# Altium PCB calorieScale.PcbDoc (part 2 of 2)
Units mil, origin at the board's own origin, x right, y up, seen from the top; angles counter-clockwise.
Board outline 3937.01 x 3937.01 mil, 4 copper layers (Top Layer, Sig2, Sig3, Bottom Layer), stack 23.756 mil thick; 102 components, 91 nets, 388 pads, 509 vias.
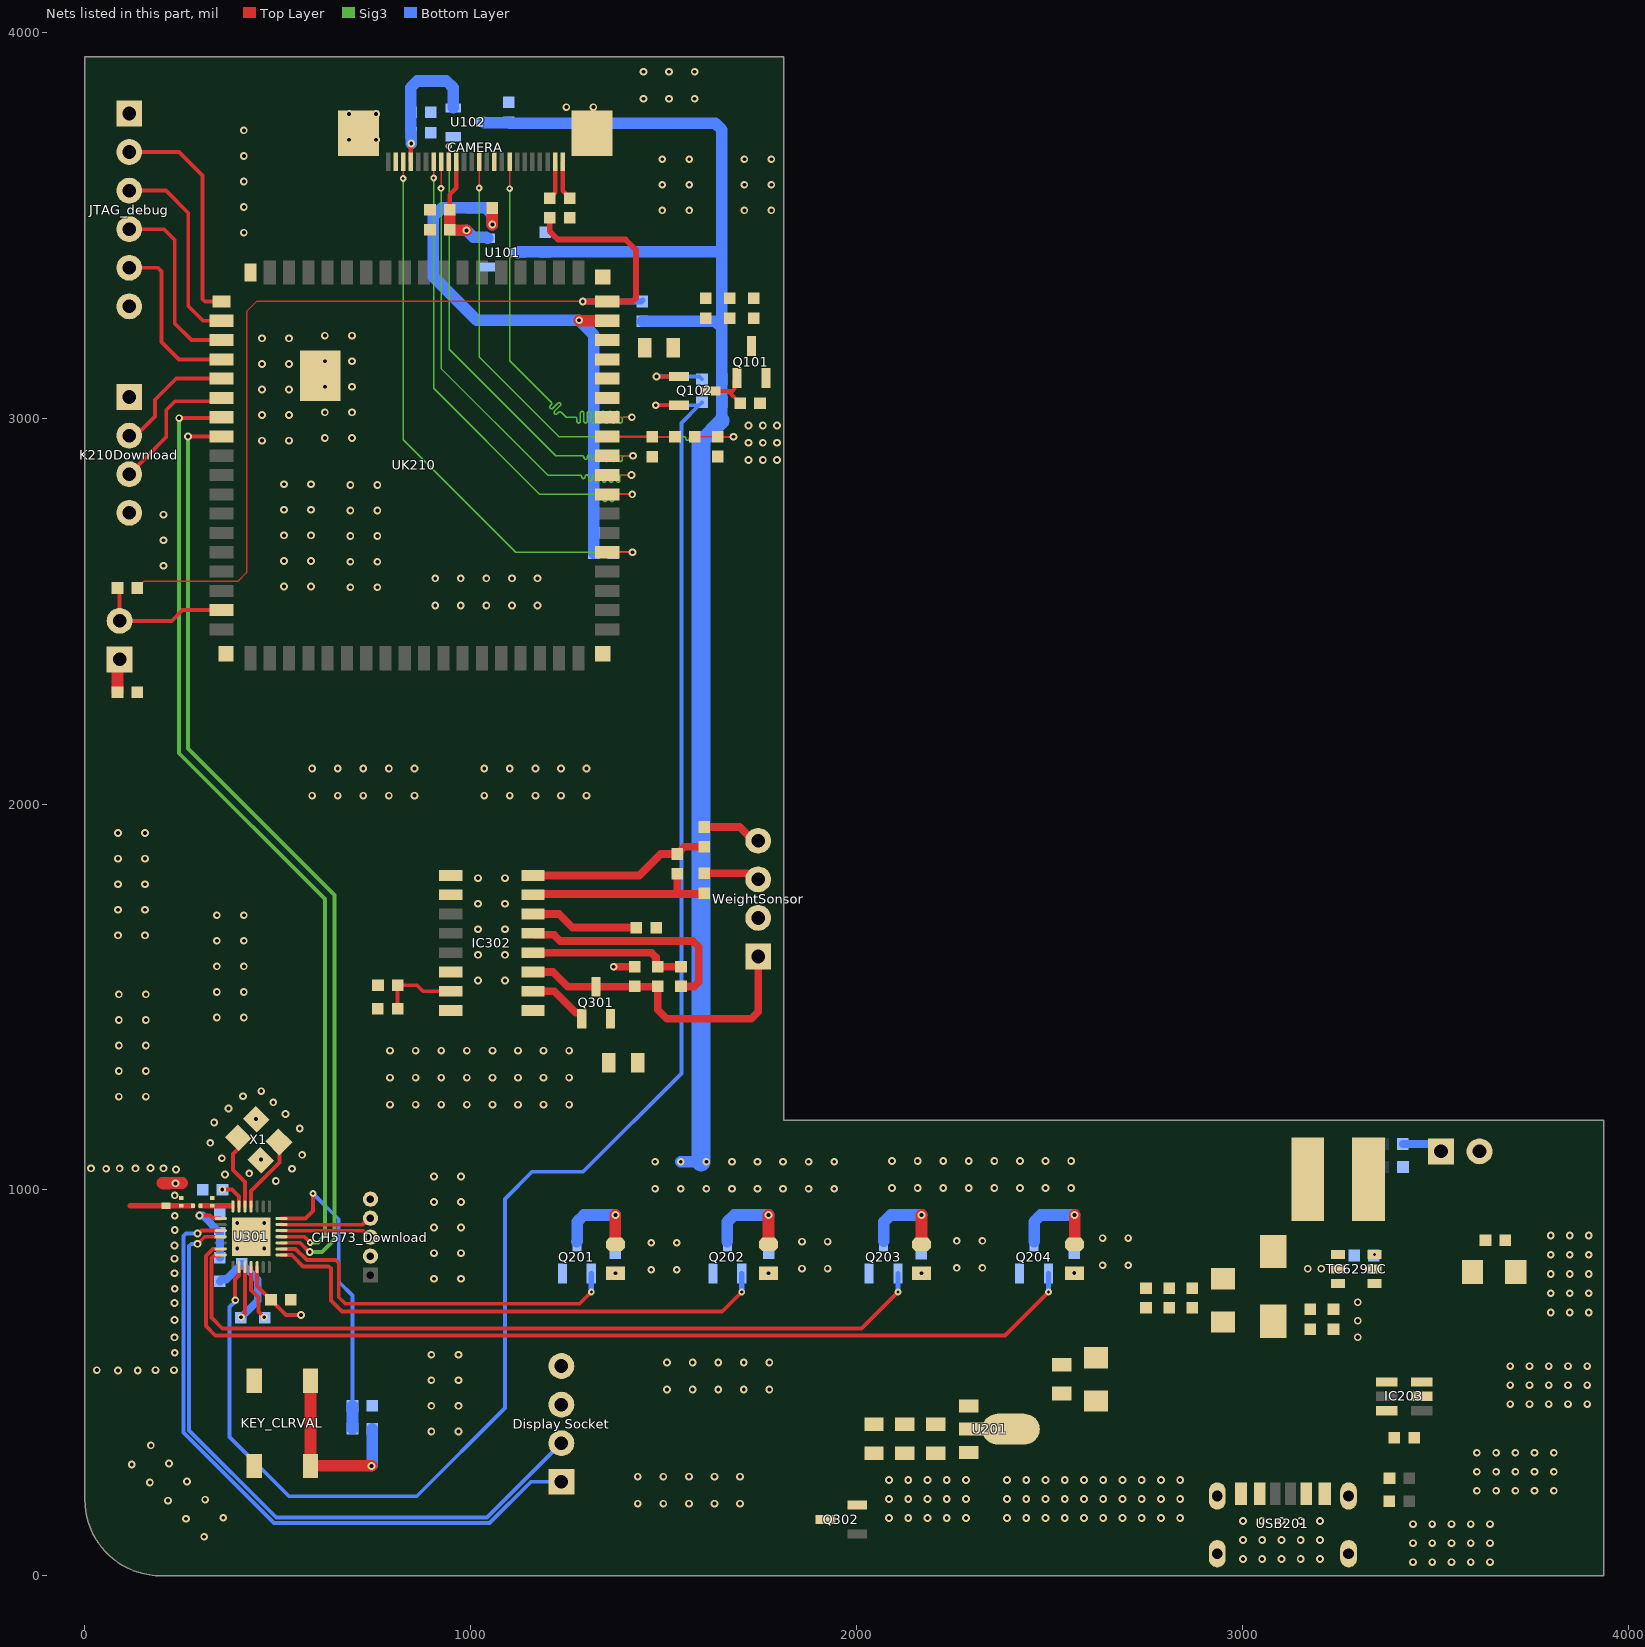
[diagram p4: the nets of this part, all layers, seen from the top]

## Via types
v1: diameter 20, hole 10, Top Layer to Bottom Layer, tented both sides, 483 vias
v2: diameter 17.72, hole 7.87, Top Layer to Bottom Layer, tented both sides, 21 vias
v3: diameter 19.68, hole 11.81, Top Layer to Bottom Layer, tented both sides, 5 vias

## Nets (pads, with @x,y where several pads share a name; then routed paths per layer and width w, separated by ;. In a path a pad name is that pad's centre, name@x,y a point inside that pad or via, vN(x,y) a via of type N, cw(c..) or ccw(c..) an arc to the next point about the centre after c; other vN are vias at no path point) (continued)
DVP_SDA: CAMERA.22 R112.1 UK210.41 | length 1551.7
  Top Layer w4: v2(825,3621) CAMERA.22@825.04,3665 ; UK210.41@1354.09,2652.72 v1(1419.28,2652.72)
  Sig3 w4: v2(825,3621) 825,2944.45 1116.73,2652.72 v1(1419.28,2652.72)
  Bottom Layer w4: R112.1@1369.59,2650 1372.31,2652.72 v1(1419.28,2652.72)
GND: "Display Socket.4" Battery.2 C1.2 C2.2 C3.2 C4.2 C11.2 C12.2 C13.1 C14.2 C15.1 C17.1 C101.1 C102.1 C103.1 C104.1 C105.1 C106.1 C107.1 C108.1 C109.1 C110.1 C111.1 C201.1 C202.1 C203.1 C204.1 C205.1 C206.1 C207.1 C208.1 C209.1 C210.1 C211.1 CAMERA.10 CAMERA.23 CAMERA.MP1 CAMERA.MP2 CH573_Download.2 IC203.2 IC302.5 IC302.9 IC302.10 IC302.14 JTAG_debug.6 K210Download.4 KEY_CLRVAL.1 KEY_CLRVAL.4 Q201.2 Q202.2 Q203.2 Q204.2 R4.1 R7.1 R102.2 R107.2 R201.1 R203.1 R204.2 R206.1 R212.1 TC6291C.2 U101.1 U102.1 U201.1 U301.0 UK210.0 UK210.49 UK210.50 UK210.72 USB201.0 USB201.A12 USB201.B12 WeightSonsor.2 X1.2 X1.4 | length 692
  Top Layer w20: IC302.5@1161.77,1665 1165.55,1661.22 1215.57,1661.22 1231.79,1645 1576,1645 1591,1630 1591,1539.12 1579.28,1527.41 R4.1@1545,1527.41 ; v1(1370.41,1578.59) C15.1@1425,1578.59
  Top Layer w30: 200,1018 252,1018
  other v1: 3442.26,35.43 3492.13,35.43 3541.99,35.43 3591.86,35.43 3641.73,35.43 3001.31,43.31 3051.18,43.31 3101.05,43.31 3150.92,43.31 3200.79,43.31 3442.26,84.65 3492.13,84.65 3541.99,84.65 3591.86,84.65 3641.73,84.65 3001.31,92.52 3051.18,92.52 3101.05,92.52 3150.92,92.52 3200.79,92.52 308.99,101.02 3442.26,133.86 3492.13,133.86 3541.99,133.86 3591.86,133.86 3641.73,133.86 3001.31,141.73 3051.18,141.73 3101.05,141.73 3150.92,141.73 3200.79,141.73 262.12,147.89 358.48,150.52 1432.86,187 1499.14,187 1565.43,187 1631.71,187 1698,187 215.24,194.76 311.61,197.39 3607.61,220.47 3657.48,220.47 3707.35,220.47 3757.22,220.47 3807.09,220.47 168.37,241.63 264.74,244.26 1432.86,257 1499.14,257 1565.43,257 1631.71,257 1698,257 3607.61,269.69 3657.48,269.69 3707.35,269.69 3757.22,269.69 3807.09,269.69 121.5,288.5 217.87,291.13 3607.61,318.9 3657.48,318.9 3707.35,318.9 3757.22,318.9 3807.09,318.9 171,338 898,374.14 968,374.14 898,440.43 968,440.43 3694.23,444.88 3744.09,444.88 3793.96,444.88 3843.83,444.88 3893.7,444.88 1508.86,483 1575.14,483 1641.43,483 1707.71,483 1774,483 3694.23,494.09 3744.09,494.09 3793.96,494.09 3843.83,494.09 3893.7,494.09 898,506.71 968,506.71 86,532 137,532 31,533 183,533 231,533 3694.23,543.31 3744.09,543.31 3793.96,543.31 3843.83,543.31 3893.7,543.31 1508.86,553 1575.14,553 1641.43,553 1707.71,553 1774,553 898,573 968,573 233,578 232,618 232,663 3799.21,682.42 3848.43,682.42 3897.64,682.42 232,707 3799.21,732.28 3848.43,732.28 3897.64,732.28 233,744 905,769.86 975,769.86 3799.21,782.15 3848.43,782.15 3897.64,782.15 232,784 232,822 3799.21,832.02 3848.43,832.02 3897.64,832.02 905,836.14 975,836.14 395,847.86 465,847.86 232,856 3799.21,881.89 3848.43,881.89 3897.64,881.89 233,896 905,902.43 975,902.43 395,914.14 465,914.14 233,933 905,968.71 975,968.71 233,986 235,1017 495,1023 905,1035 975,1035 363,1040 426,1043 236,1053 55,1055 537,1055 16,1056 90,1056 131,1056 204,1056 170,1057 456,1079 355,1082 563,1091 325,1122 557,1159 335,1175 443,1184 520,1197 372,1211 488,1227 88,1241.86 158,1241.86 410,1243 457,1256 88,1308.14 158,1308.14 88,1374.43 158,1374.43 88,1440.71 158,1440.71 342,1446.86 412,1446.86 88,1507 158,1507 342,1513.14 412,1513.14 1019,1543 1089,1543 342,1579.43 412,1579.43 1019,1609.29 1089,1609.29 342,1645.71 412,1645.71 86,1659.86 156,1659.86 1019,1675.57 1089,1675.57 342,1712 412,1712 86,1726.14 156,1726.14 1019,1741.86 1089,1741.86 86,1792.43 156,1792.43 1019,1808.14 1089,1808.14 86,1858.71 156,1858.71 86,1925 156,1925 589,2022 655.29,2022 721.57,2022 787.86,2022 854.14,2022 1035,2022 1101.29,2022 1167.57,2022 1233.86,2022 1300.14,2022 589,2092 655.29,2092 721.57,2092 787.86,2092 854.14,2092 1035,2092 1101.29,2092 1167.57,2092 1233.86,2092 1300.14,2092 907.86,2515 974.14,2515 1040.43,2515 1106.71,2515 1173,2515 688,2562 758,2562 516,2564 586,2564 907.86,2585 974.14,2585 1040.43,2585 1106.71,2585 1173,2585 203.84,2617.64 688,2628.29 758,2628.29 516,2630.29 586,2630.29 203.84,2683.92 688,2694.57 758,2694.57 516,2696.57 586,2696.57 203.84,2750.21 688,2760.86 758,2760.86 516,2762.86 586,2762.86 688,2827.14 758,2827.14 516,2829.14 586,2829.14 459,2942 529,2942 622,2949 692,2949 459,3008.29 529,3008.29 622,3015.29 692,3015.29 459,3074.57 529,3074.57 622,3081.57 692,3081.57 459,3140.86 529,3140.86 622,3147.86 692,3147.86 459,3207.14 529,3207.14 622,3214.14 692,3214.14 412,3481 1496.16,3538.79 1566.16,3538.79 1709.16,3538.79 1779.16,3538.79 412,3547.29 1496.16,3605.08 1566.16,3605.08 1709.16,3605.08 1779.16,3605.08 412,3613.57 1496.16,3671.36 1566.16,3671.36 1709.16,3671.36 1779.16,3671.36 412,3679.86 684.86,3721.99 754.86,3721.99 412,3746.14 684.86,3788.28 754.86,3788.28 1247.86,3806.28 1317.86,3806.28 1447.64,3828.16 1513.92,3828.16 1580.21,3828.16 1447.64,3898.16 1513.92,3898.16 1580.21,3898.16
  other v3: 3299.21,618.11 3299.21,661.42 3299.21,708.66 3169.29,795.28 3204.72,795.28
HS: CAMERA.16 UK210.46 | length 1362.3
  Top Layer w4: v2(943,3704.93) 943.07,3704.85 943.07,3665.07 CAMERA.16@943.15,3665 ; UK210.46@1354.09,2902.72 v1(1420.72,2902.72)
  Sig3 w4: v2(943,3704.93) 944,3703.93 944,3179 1220.28,2902.72 1230,2902.72 1289,2902.72 cw(c1289,2898.22) 1293.5,2898.22 ccw(c1298,2898.22) 1302.5,2898.22 1302.5,2900.95 cw(c1307,2900.95) 1311.5,2900.95 1311.5,2896.58 ccw(c1316,2896.58) 1320.5,2896.58 1320.5,2900.95 cw(c1325,2900.95) 1329.5,2900.95 1329.5,2892.47 ccw(c1334,2892.47) 1338.5,2892.47 1338.5,2900.95 cw(c1343,2900.95) 1347.5,2900.95 1347.5,2892.47 ccw(c1352,2892.47) 1356.5,2892.47 1356.5,2900.95 cw(c1361,2900.95) 1365.5,2900.95 1365.5,2892.47 ccw(c1370,2892.47) 1374.5,2892.47 1374.5,2900.95 cw(c1379,2900.95) 1383.5,2900.95 1383.5,2892.47 ccw(c1388,2892.47) 1392.5,2892.47 1392.5,2898.22 cw(c1397,2898.22) 1397,2902.72 1399,2902.72 v1(1420.72,2902.72)
ISP_RX: K210Download.2 UK210.5 | length 325.5
  Top Layer w10: K210Download.2@115,2955 130.4,2955 146.17,2970.77 147.77,2970.77 182,3005 182,3048 236.72,3102.72 UK210.5@354.09,3102.72
ISP_TX: K210Download.3 UK210.6 | length 362
  Top Layer w10: K210Download.3@115,2855 160,2900 211,2951 211,3021 234,3044 345.38,3044 UK210.6@354.09,3052.72
JTAG_TCK: JTAG_debug.2 UK210.1 | length 587.2
  Top Layer w10: JTAG_debug.2@115,3690 244,3690 305,3629 305,3308.57 310.86,3302.72 UK210.1@354.09,3302.72
JTAG_TDI: JTAG_debug.3 UK210.2 | length 520
  Top Layer w10: JTAG_debug.3@115,3590 210,3590 268,3532 268,3291 306.28,3252.72 UK210.2@354.09,3252.72
JTAG_TDO: JTAG_debug.5 UK210.4 | length 444
  Top Layer w10: JTAG_debug.5@115,3390 189,3390 199,3380 199,3198 244.28,3152.72 UK210.4@354.09,3152.72
JTAG_TMS: JTAG_debug.4 UK210.3 | length 484.6
  Top Layer w10: JTAG_debug.4@115,3490 205,3490 233,3462 233,3246 276,3203 353.81,3203 UK210.3@354.09,3202.72
K210_1V8: R110.2 R111.2 R112.2 UK210.53 | length 1513.3
  Top Layer w30: R110.2@1055.59,3545 1055.59,3502.41 v1(1056,3502) ; v1(1281,3254) 1282.28,3252.72 UK210.53@1354.09,3252.72
  Bottom Layer w30: v1(1056,3502) 1056,3528.43 1038.43,3546 926,3546 903,3523 903,3367 1016,3254 v1(1281,3254) 1318.41,3216.59 R112.2@1318.41,2650
K210_3V3: R101.2 R108.2 R109.2 UK210.54 | length 2558.9
  Top Layer w4: R101.2@135.59,2560 152.59,2577 396,2577 419,2600 419,3276.64 445.07,3302.72 v1(1290.28,3302.72)
  Top Layer w15: R108.2@1205,3519.41 1205,3484 1218.01,3470.99 1226,3463 1401,3463 1428,3436 1428,3311.5 1419.21,3302.72 UK210.54@1354.09,3302.72 v1(1290.28,3302.72)
  Bottom Layer w15: v1(1290.28,3302.72) 1441.72,3302.72 R109.2@1445.01,3306
K210_BOOT: BootPullDown.2 R101.1 UK210.17 | length 362.9
  Top Layer w10: R101.1@84.41,2560 90,2554.4 BootPullDown.2@90,2475 225,2475 252.72,2502.72 UK210.17@354.09,2502.72
K210_RX: U301.10 UK210.8 | length 2487.5
  Top Layer w10: v1(267,2953) 353.81,2953 UK210.8@354.09,2952.72 ; U301.10@509.49,862.99 557.17,862.99 v1@582.16,838
  Sig3 w10: v1(267,2953) 267,2144 647,1764 647,871.64 614.36,839 584.94,839 583.94,838 v1(582.86,839.08)
K210_TX: U301.11 UK210.7 | length 2511.9
  Top Layer w10: v1(244.25,3000.25) 351.63,3000.25 UK210.7@354.09,3002.72 ; U301.11@509.49,878.74 569.26,878.74 v2(584,864)
  Sig3 w10: v1(244.25,3000.25) 244,3000 244,2131.64 622,1753.64 622,882 604,864 v2(584,864)
Key_CLRVAL: C17.2 R9.1 U301.14 | length 787.8
  Top Layer w10: U301.14@509.49,925.98 571.98,925.98 591,945 v2(591,991)
  Bottom Layer w10: v2(591,991) 658,924 658,762 693.55,726.45 C17.2@693.55,441.06
  Bottom Layer w30: R9.1@693.54,381.07 C17.2@693.54,441.05
L1: Q201.1 U301.9 | length 974.1
  Top Layer w10: U301.9@509.49,847.24 546.05,847.24 575.29,818 650,818 658,810 658,722 675,705 1281.8,705 v2(1312.4,735.6)
  Bottom Layer w13.75: v2(1312.4,735.6) Q201.1@1312.4,783.66
L2: Q202.1 U301.8 | length 1370.9
  Top Layer w10: U301.8@509.49,831.5 536.14,831.5 542,825.64 565.64,802 632.14,802 638,796.14 638,713.72 666.72,685 1651.8,685 v2(1702.4,735.6)
  Bottom Layer w13.75: v2(1702.4,735.6) Q202.1@1702.4,783.66
L3: Q203.1 U301.28 | length 2059.9
  Top Layer w10: U301.28@352.01,831.5 350.94,830.43 335.23,830.43 328,823.2 328,669 356,641 2012.8,641 v2(2107.4,735.6)
  Bottom Layer w13.75: v2(2107.4,735.6) Q203.1@2107.4,783.66
L4: Q204.1 U301.27 | length 2515.6
  Top Layer w10: U301.27@352.01,847.24 351.76,847 332,847 314,829 314,647 338,623 2384.8,623 v2(2497.4,735.6)
  Bottom Layer w13.75: v2(2497.4,735.6) Q204.1@2497.4,783.66
MCLK: C105.2 CAMERA.12 R103.2 | length 1362.3
  Top Layer w4: CAMERA.12@1021.89,3665 1021.94,3664.94 1021.94,3597.06 v2(1022,3597) ; R103.2@1580.59,2952 C105.2@1640,2952 v1(1681,2952)
  Sig3 w4: v2(1022,3597) 1022,3159 1229,2952 1488.35,2952 1553,2952 cw(c1553,2947.5) 1557.5,2947.5 1557.5,2947.08 ccw(c1562,2947.08) 1566.5,2947.08 1566.5,2947.5 cw(c1571,2947.5) 1571,2952 1573,2952 v1(1681,2952)
NetBootPullDown_1: BootPullDown.1 R102.1 | length 87.3
  Top Layer w30: R102.1@84.41,2290 84.41,2369.41 BootPullDown.1@90,2375
NetC1_1: C1.1 U301.20 | length 76.1
  Top Layer w10: v1(356,1001) 381,1001 399.25,982.75 U301.20@399.25,957.48
NetC11_1: C11.1 R2.2 U301.21 | length 80.9
  Top Layer w13.75: R2.2@299.69,959.15 U301.21@380.57,959.15
NetC12_1: C12.1 E1.1 R2.1 | length 163.2
  Top Layer w13.75: 117.02,958.62 117.55,959.15 C12.1@250,959.15 R2.1@280,959.15
NetC14_1: C14.1 IC302.6 | length 282.1
  Top Layer w20: IC302.6@1161.77,1715 1229,1715 1264,1680 C14.1@1429.41,1680
NetC15_2: C15.2 IC302.3 Q301.3 R3.2 WeightSonsor.1 | length 820.1
  Top Layer w20: IC302.3@1161.77,1565 1213,1565 1251.66,1526.34 Q301.3@1325,1526.34 1325.54,1526.88 1425,1526.88 1484.46,1526.88 R3.2@1485,1527.41 1485,1467 1508,1444 1727,1444 1745,1462 WeightSonsor.1@1745,1605
NetC16_1: C16.1 IC302.8 R6.1 | length 474.1
  Top Layer w20: IC302.8@1161.77,1815 1437,1815 1492.59,1870.59 C16.1@1535,1870.59 1553.81,1889.41 R6.1@1605,1889.41
NetC16_2: C16.2 IC302.7 R5.1 | length 500.2
  Top Layer w20: IC302.7@1161.77,1765 1163.97,1767.2 1542.06,1767.2 ; C16.2@1535,1819.41 1535,1774.27 1542.06,1767.2 ; R5.1@1605,1769.41 1602.8,1767.2 1542.06,1767.2
NetCAMERA_1: CAMERA.1 R107.1 | length 102.1
  Top Layer w12: CAMERA.1@1238.43,3665 1238.43,3589.17 R107.1@1257,3570.59
NetCAMERA_2: CAMERA.2 R108.1 | length 100.1
  Top Layer w12: R108.1@1205,3570.59 1218.74,3584.34 CAMERA.2@1218.74,3665
NetD201_1: D201.1 L201.2 TC6291C.1
NetIC203_6: IC203.6 R204.1
NetIC302_2: IC302.2 Q301.1 | length 163.4
  Top Layer w20: IC302.2@1161.77,1515 1216.26,1515 1237.06,1494.2 1272.01,1459.25 1285.79,1459.25 1287.6,1457.44 Q301.1@1287.6,1443.66
NetIC302_4: IC302.4 R3.1 R4.2 | length 409.8
  Top Layer w20: IC302.4@1161.77,1615 1468.28,1615 1480,1603.28 1480,1583.59 R3.1@1485,1578.59 R4.2@1545,1578.59
NetKEY_CLRVAL_2: KEY_CLRVAL.2 KEY_CLRVAL.3 R9.2 | length 475.7
  Top Layer w30: KEY_CLRVAL.3@584.65,505.24 KEY_CLRVAL.2@584.65,284.76 v1(742.8,284.76)
  Bottom Layer w30: v1(742.8,284.76) 744.72,286.69 R9.2@744.72,381.07
NetL101_1: L101.1 UK210.51 UK210.52
NetLED1_1: LED1.1 R210.1
  other v1: 1375,784.09
NetLED1_2: LED1.2 Q201.3 | length 234.2
  Top Layer w30: LED1.2@1375,858.89 v1(1375,935.08)
  Bottom Layer w30: Q201.3@1275,866.34 1275.78,867.11 1275.78,917.51 1293.35,935.08 v1(1375,935.08)
NetLED2_1: LED2.1 R209.1
  other v1: 1771.67,784.09
NetLED2_2: LED2.2 Q202.3 | length 241.3
  Top Layer w30: LED2.2@1771.67,858.89 v1(1771.67,935.08)
  Bottom Layer w30: Q202.3@1665,866.34 1665,917.51 1682.57,935.08 v1(1771.67,935.08)
NetLED3_1: LED3.1 R208.1
  other v1: 2168.34,784.09
NetLED3_2: LED3.2 Q203.3 | length 231.2
  Top Layer w30: LED3.2@2168.34,858.89 v1(2168.34,935.08)
  Bottom Layer w30: Q203.3@2070.87,867.2 2070.87,917.51 2088.44,935.08 v1(2168.34,935.08)
NetLED4_1: LED4.1 R207.1
  other v1: 2564,785
NetLED4_2: LED4.2 Q204.3 | length 239.6
  Top Layer w30: LED4.2@2565,858.89 v1(2565,935.08)
  Bottom Layer w30: Q204.3@2460,866.34 2460,917.51 2477.57,935.08 v1(2565,935.08)
NetQ101_1: Q101.1 Q102.3 R106.1 | length 139.4
  Top Layer w10: Q102.3@1622.34,3071 1666.4,3071 ; Q101.1@1690.13,3104.43 1683.31,3097.61 1683.31,3076.31 1678,3071 1666.4,3071 ; R106.1@1698.41,3039 1666.4,3071
NetQ102_1: Q102.1 R104.1 | length 179.3
  Top Layer w10: v1(1481.4,3108.4) Q102.1@1539.66,3108.4
  Bottom Layer w10: v1(1481.4,3108.4) 1592.01,3108.4 R104.1@1599.41,3101
NetR5_2: R5.2 WeightSonsor.3 | length 146.5
  Top Layer w20: R5.2@1605,1820.59 1716.71,1820.59 1732.3,1805 WeightSonsor.3@1745,1805
NetR6_2: R6.2 WeightSonsor.4 | length 154.7
  Top Layer w20: R6.2@1605,1940.59 1696.71,1940.59 1732.3,1905 WeightSonsor.4@1745,1905
NetR201_2: R201.2 TC6291C.6
  other v2: 3342.24,832.4
NetR202_1: R202.1 R203.2 TC6291C.3
OLED_SCL: "Display Socket.2" U301.25 | length 1707.3
  Top Layer w10: v1@292.21,860.21 310.74,878.74 U301.25@352.01,878.74
  Bottom Layer w10: v1(291.67,860.21) 275.86,860.21 270,854.35 270,377 496,151 1042.3,151 1235,343.7
OLED_SDA: "Display Socket.1" U301.24 | length 1731
  Top Layer w10: v1@292.24,887 293.12,887.88 295.83,887.88 302.44,894.49 U301.24@352.01,894.49
  Bottom Layer w10: v1(291.67,887) 262,887 256,881 256,371.2 490.2,137 1049,137 1155.7,243.7 1235,243.7
PCLK: CAMERA.8 UK210.48 | length 1362.4
  Top Layer w4: CAMERA.8@1100.63,3665 1100.82,3664.81 1100.82,3595.19 v2(1101,3595) ; UK210.48@1354.09,3002.72 v1(1417.59,3002.72)
  Sig3 w4: v2(1101,3595) 1101,3149 1146.5,3103.5 1208.76,3041.24 cw(c1205.58,3038.06) 1208.76,3034.88 1206.25,3032.37 ccw(c1209.43,3029.19) 1206.25,3026 ccw(c1209.43,3029.19) 1212.61,3026 1225.73,3039.12 cw(c1228.91,3035.94) 1232.09,3039.12 cw(c1228.91,3035.94) 1232.09,3032.76 1217.24,3017.91 ccw(c1220.43,3014.72) 1217.24,3011.54 ccw(c1220.43,3014.72) 1223.61,3011.54 1227.85,3015.79 cw(c1231.03,3012.6) 1234.21,3015.79 1235.63,3014.37 1247.28,3002.72 1258.26,3002.72 1270.83,3002.72 cw(c1270.83,2998.22) 1275.33,2998.22 1275.33,2992.22 ccw(c1279.83,2992.22) 1284.33,2992.22 1284.33,3013.22 cw(c1288.83,3013.22) 1293.33,3013.22 1293.33,2992.22 ccw(c1297.83,2992.22) 1302.33,2992.22 1302.33,3013.22 cw(c1306.83,3013.22) 1311.33,3013.22 1311.33,2992.22 ccw(c1315.83,2992.22) 1320.33,2992.22 1320.33,3013.22 cw(c1324.83,3013.22) 1329.33,3013.22 1329.33,2992.22 ccw(c1333.83,2992.22) 1338.33,2992.22 1338.33,3013.22 cw(c1342.83,3013.22) 1347.33,3013.22 1347.33,2992.22 ccw(c1351.83,2992.22) 1356.33,2992.22 1356.33,3013.22 cw(c1360.83,3013.22) 1365.33,3013.22 1365.33,2992.22 ccw(c1369.83,2992.22) 1374.33,2992.22 1374.33,3013.22 cw(c1378.83,3013.22) 1383.33,3013.22 1383.33,2992.22 ccw(c1387.83,2992.22) 1392.33,2992.22 1392.33,2998.22 cw(c1396.83,2998.22) 1396.83,3002.72 1398.83,3002.72 v1(1417.59,3002.72)
PWDN: CAMERA.17 UK210.45 | length 1362.4
  Top Layer w4: v2(923,3596) 923.23,3596.23 923.23,3664.77 CAMERA.17@923.46,3665 ; UK210.45@1354.09,2852.72 v1(1416.72,2852.72)
  Sig3 w4: v2(923,3596) 923,3129.29 1199.57,2852.72 1211.28,2852.72 1282.86,2852.72 cw(c1282.86,2848.22) 1287.36,2848.22 ccw(c1291.86,2848.22) 1296.36,2848.22 1296.36,2848.82 cw(c1300.86,2848.82) 1305.36,2848.82 1305.36,2841.89 ccw(c1309.86,2841.89) 1314.36,2841.89 1314.36,2848.82 cw(c1318.86,2848.82) 1323.36,2848.82 1323.36,2838.81 ccw(c1327.86,2838.81) 1332.36,2838.81 1332.36,2848.82 cw(c1336.86,2848.82) 1341.36,2848.82 1341.36,2838.81 ccw(c1345.86,2838.81) 1350.36,2838.81 1350.36,2848.82 cw(c1354.86,2848.82) 1359.36,2848.82 1359.36,2838.81 ccw(c1363.86,2838.81) 1368.36,2838.81 1368.36,2848.82 cw(c1372.86,2848.82) 1377.36,2848.82 1377.36,2838.81 ccw(c1381.86,2838.81) 1386.36,2838.81 1386.36,2848.22 cw(c1390.86,2848.22) 1390.86,2852.72 1392.86,2852.72 v1(1416.72,2852.72)
RATE: IC302.15 R7.2 R8.2 | length 204.3
  Top Layer w10: R8.2@810.59,1470 810.59,1530.23 R7.2@810.77,1530.41 860.59,1530.41 876,1515 IC302.15@948.23,1515
SW_K210: Q102.2 R105.1 U301.2 | length 4391.1
  Top Layer w10: v1(390.04,713.96) 389,715 389,768 399.25,778.25 U301.2@399.25,800 ; v1(1479.4,3033.6) Q102.2@1539.66,3033.6
  Bottom Layer w10: v1(390.04,713.96) 390.04,711.25 375.04,696.25 375.04,359.96 529,206 860,206 1089,435 1089,977 1159,1047 1291,1047 1546,1302 1546,2987.6 R105.1@1592,3033.6 ; v1(1479.4,3033.6) R105.1@1592,3033.6 ; R105.1@1599.41,3041 R105.1@1592,3033.6
UD+: CH573_Download.3 U301.12 | length 237.6
  Top Layer w9.53: U301.12@509.49,894.49 509.6,894.6 719.35,894.6 736.34,877.61 CH573_Download.3@740,877.61
UD-: CH573_Download.4 U301.13 | length 237.5
  Top Layer w9.53: U301.13@509.49,910.24 509.6,910.13 719.5,910.13 736.19,926.82 CH573_Download.4@740,926.82
VCC5V_USB: IC203.4 R205.2 USB201.A9 USB201.B9
VCC_3V3: C4.1 C13.2 C106.2 C109.2 C209.2 C210.2 C211.2 CH573_Download.5 IC302.1 IC302.16 Q301.2 Q302.2 R8.1 R104.2 R105.2 R109.1 R207.2 R208.2 R209.2 R210.2 U101.3 U102.3 U201.3 U301.5 | length 4313.4
  Top Layer w10: U301.5@446.5,800 446.5,750.91 C4.1@482.41,715 521.4,676 v1(560,676)
  Bottom Layer w30: U102.3@1033.37,3767 1034.37,3766 C109.2@1099,3766 ; C109.2@1099,3767.41 1101.42,3765 1633.43,3765 1651,3747.43 1651,3431 ; U101.3@1122.37,3429 1124.37,3431 C106.2@1193,3431 ; C106.2@1193,3431.41 1193.42,3431 1651,3431 ; R109.1@1444,3251.41 1633.43,3251.41 1651,3233.83 ; v1(1544.29,1073) 1597,1073 ; 1650.59,2994.59 R105.2@1650.59,3041 R104.2@1650.59,3101 1651,3101.42 1651,3233.83 ; 1651,3233.83 1651,3431
  Bottom Layer w40: 1597,2939 1650.59,2992.59 1650.59,2994.59
  Bottom Layer w50: 1597,1073 1597,2939
  other v1: 2083.99,149.61 2133.86,149.61 2183.73,149.61 2233.6,149.61 2283.46,149.61 2083.99,198.82 2133.86,198.82 2183.73,198.82 2233.6,198.82 2283.46,198.82 2083.99,248.03 2133.86,248.03 2183.73,248.03 2233.6,248.03 2283.46,248.03 1467.71,793 1534,793 1858.71,796 1925,796 2259.71,798 2326,798 2637.71,805 2704,805 1467.71,863 1534,863 1858.71,866 1925,866 2259.71,868 2326,868 2637.71,875 2704,875 1478,1003 1544.29,1003 1610.57,1003 1676.86,1003 1743.14,1003 1809.43,1003 1875.71,1003 1942,1003 2092,1005 2158.29,1005 2224.57,1005 2290.86,1005 2357.14,1005 2423.43,1005 2489.71,1005 2556,1005 1478,1073 1610.57,1073 1676.86,1073 1743.14,1073 1809.43,1073 1875.71,1073 1942,1073 2092,1075 2158.29,1075 2224.57,1075 2290.86,1075 2357.14,1075 2423.43,1075 2489.71,1075 2556,1075 791,1221 857.29,1221 923.57,1221 989.86,1221 1056.14,1221 1122.43,1221 1188.71,1221 1255,1221 791,1291 857.29,1291 923.57,1291 989.86,1291 1056.14,1291 1122.43,1291 1188.71,1291 1255,1291 791,1361 857.29,1361 923.57,1361 989.86,1361 1056.14,1361 1122.43,1361 1188.71,1361 1255,1361
VCC_3V7: Battery.1 C201.2 C202.2 IC203.3 L201.1 R211.2 TC6291C.4 TC6291C.5 | length 106.8
  Bottom Layer w20: R211.2@3415.59,1119 3495.52,1119 Battery.1@3514.53,1100
VCC_5V: C203.2 C204.2 C205.2 C206.2 C207.2 C208.2 D201.2 JTAG_debug.1 K210Download.1 Q101.2 R106.2 R202.2 U201.2
  other v1: 2389.76,149.61 2439.63,149.61 2489.5,149.61 2539.37,149.61 2589.24,149.61 2639.11,149.61 2688.98,149.61 2738.84,149.61 2788.71,149.61 2838.58,149.61 2389.76,198.82 2439.63,198.82 2489.5,198.82 2539.37,198.82 2589.24,198.82 2639.11,198.82 2688.98,198.82 2738.84,198.82 2788.71,198.82 2838.58,198.82 2389.76,248.03 2439.63,248.03 2489.5,248.03 2539.37,248.03 2589.24,248.03 2639.11,248.03 2688.98,248.03 2738.84,248.03 2788.71,248.03 2838.58,248.03 1720,2892 1757,2892 1794,2892 1720,2936.5 1757,2936.5 1794,2936.5 1720,2981 1757,2981 1794,2981
VCC_CAM_1V8: C107.2 C108.2 CAMERA.15 U101.2 | length 290.5
  Top Layer w12: C108.2@945.59,3540 946,3540.41 946,3580 962.83,3596.83 CAMERA.15@962.83,3665
  Top Layer w30: C108.2@945.59,3540 C107.2@945.59,3489 947.58,3487 v1(989,3487)
  Bottom Layer w30: v1(989,3487) 1006.41,3469.59 1040.44,3469.59 U101.2@1043.63,3466.4
VCC_CAM_3V0: C110.2 C111.2 CAMERA.21 U102.2 | length 370
  Top Layer w12: CAMERA.21@844.72,3665 844.82,3665.09 844.82,3686.27 845,3686.45 845,3711 v1(846,3712)
  Bottom Layer w30: v1(846,3712) 845.41,3712.59 C111.2@845.41,3740 844,3741.41 844,3856.43 861.57,3874 937.06,3874 954.63,3856.43 U102.2@954.63,3804.4
VCC_K210_5V: C101.2 C102.2 C103.2 L101.2 Q101.3
VCC_OLED_3V3: "Display Socket.3" Q302.3
VDCIA: C2.1 L2.1 U301.22 | length 195.2
  Top Layer w10: v1(297,934) 325,934 333.02,925.98 U301.22@352.01,925.98
  Bottom Layer w20: v1(297,934) 305.4,934 C2.1@350,889.41 L2.1@350,824
VDCID: C3.1 L1.1 L2.2 U301.3 | length 383.5
  Top Layer w10: v1(405,670) 415,680 U301.3@415,800
  Bottom Layer w20: L2.2@350,762.82 355,767.82 366.41,767.82 C3.1@407,808.41 448,767.4 448,712.58 405.42,670 v1(405,670)
VS: CAMERA.18 UK210.44 | length 1362.4
  Top Layer w4: CAMERA.18@903.78,3665 903.89,3664.89 903.89,3623.11 v2(904,3623) ; UK210.44@1354.09,2802.72 v1(1418.72,2802.72)
  Sig3 w4: v2(904,3623) 904,3077.58 1178.86,2802.72 1190.48,2802.72 1321.22,2802.72 cw(c1321.22,2798.22) 1325.72,2798.22 1325.72,2794.55 ccw(c1330.22,2794.55) 1334.72,2794.55 1334.72,2799.56 cw(c1339.22,2799.56) 1343.72,2799.56 1343.72,2788.68 ccw(c1348.22,2788.68) 1352.72,2788.68 1352.72,2799.56 cw(c1357.22,2799.56) 1361.72,2799.56 1361.72,2788.68 ccw(c1366.22,2788.68) 1370.72,2788.68 1370.72,2798.22 cw(c1375.22,2798.22) 1375.22,2802.72 1377.22,2802.72 v1(1418.72,2802.72)
VSW: L1.2 U301.4 | length 144.2
  Top Layer w10: U301.4@430.75,800 430.75,740.25 450,721 450,685 v1(465,670)
X32MI: U301.19 X1.1 | length 197.5
  Top Layer w10: X1.1@397.11,1135.57 398.5,1134.18 398.5,1107.84 384,1093.34 384,1052 415,1021 U301.19@415,957.48
X32MO: U301.18 X1.3 | length 198
  Top Layer w10: U301.18@430.75,957.48 430.75,997.49 504.29,1071.03 504.29,1123.04 X1.3@502.89,1124.43
XCLK: C104.2 R103.1 UK210.47 | length 176.8
  Top Layer w4: UK210.47@1354.09,2952.72 C104.2@1468.87,2952.72 ; C104.2@1470.41,2952 R103.1@1529.41,2952
  Top Layer w10: C104.2@1468.87,2952.72 C104.2@1470,2951.59 C104.2@1470.41,2952 ; R103.1@1528.82,2945.59 R103.1@1529.41,2945
pads on no net: CAMERA.24 E1.0 IC203.1 IC302.13 U301.15 UK210.9 UK210.10 UK210.11 UK210.12 UK210.13 UK210.14 UK210.15 UK210.16 UK210.18 UK210.19 UK210.20 UK210.21 UK210.22 UK210.23 UK210.24 UK210.25 UK210.26 UK210.27 UK210.28 UK210.29 UK210.30 UK210.31 UK210.32 UK210.33 UK210.34 UK210.35 UK210.36 UK210.37 UK210.38 UK210.39 UK210.40 UK210.55 UK210.56 UK210.57 UK210.58 UK210.59 UK210.60 UK210.61 UK210.62 UK210.63 USB201.A5 USB201.B5

## Polygon pours and split planes (outlines as drawn)
GND on Top Layer "GND_L01_P035" (hatched 45Degree grid 0 track 8, remove dead copper, pour order 35): 0,3940 0,1047 229,1047 229,541 0,541 0,0 3936,0 3936,1182 3935,1183 3931,1179 1810,1179 1810,3933 1806,3937
VCC5V_USB on Top Layer "VCC5V_USB_L01_P009" (hatched 45Degree grid 0 track 8, remove dead copper, pour order 9): 2913.39,535.43 2913.39,181.1 3322.83,181.1 3322.83,228.35 3401.57,228.35 3401.57,334.65 3334.65,334.65 3334.65,488.19 3417.32,488.19 3417.32,574.8 3204.72,574.8 3204.72,539.37
VCC_3V3 on Top Layer "VCC_3V3_L01_P021" (hatched 45Degree grid 0 track 8, remove dead copper, pour order 21): 664,1494 784,1494 785,1495 785,1427 845,1427 845,1487 1213,1487 1262,1438 1262,1408 1322,1408 1322,1481 1396,1481 1397,1480 1397,1163 659,1163 658,1164
NetL101_1 on Top Layer "NETL101_1_L01_P016" (hatched 45Degree grid 0 track 8, pour order 16): 1321,3223 1480,3223 1480,3141 1320.01,3141
VCC_K210_5V on Top Layer "VCC_K210_5V_L01_P015" (hatched 45Degree grid 0 track 8, pour order 15): 1488,3142 1811,3142 1811,3286 1488,3286
VCC_5V on Top Layer "VCC_5V_L01_P014" (hatched 45Degree grid 0 track 8, pour order 14): 1723,3137 1723,3003 1704,3003 1704,2867 1809,2867 1809,3137
VCC_OLED_3V3 on Top Layer "VCC_OLED_3V3_L01_P012" (hatched 45Degree grid 0 track 8, remove dead copper, pour order 12): 1188.98,488.19 1956.69,488.19 1956.69,86.61 1291.34,86.61 1291.34,393.7 1188.98,393.7
VCC_3V3 on Top Layer "VCC_3V3_L01_P011" (hatched 45Degree grid 0 track 8, remove dead copper, pour order 11): 2330.71,350.39 1968.5,350.39 1968.5,133.86 2330.71,133.86
VCC_5V on Top Layer "VCC_5V_L01_P008" (hatched 45Degree grid 0 track 8, remove dead copper, pour order 8): 3011.81,751.97 3141.73,751.97 3141.73,669.29 3204.72,669.29 3204.72,539.37 2909.45,539.37 2909.45,133.86 2334.65,133.86 2334.65,507.87 2669.29,507.87 2669.29,716.54 3000,716.54 3011.81,728.35
GND on Top Layer "GND_L01_P007" (hatched 45Degree grid 0 track 8, remove dead copper, pour order 7): 3145.67,814.96 3145.67,771.65 3271.65,771.65 3271.65,669.29 3208.66,669.29 3208.66,578.74 3322.83,578.74 3322.83,814.96
NetR202_1 on Top Layer "NETR202_1_L01_P006" (hatched 45Degree grid 0 track 8, remove dead copper, pour order 6): 3267.72,767.72 3149.61,767.72 3149.61,673.23 3267.72,673.23
NetD201_1 on Top Layer "NETD201_1_L01_P005" (hatched 45Degree grid 0 track 8, remove dead copper, pour order 5): 3015.75,1181.1 3015.75,755.91 3137.8,755.91 3137.8,818.9 3287.4,818.9 3287.4,874.02 3244.09,874.02 3244.09,1181.1
NetIC203_6 on Top Layer "NETIC203_6_L01_P003" (hatched 45Degree grid 0 track 8, pour order 3): 3342.52,437.01 3342.52,338.58 3413.39,338.58 3413.39,437.01
VCC_3V7 on Top Layer "VCC_3V7_L01_P002" (hatched 45Degree grid 0 track 8, remove dead copper, pour order 2): 3248.03,1181.1 3248.03,881.89 3389.76,881.89 3389.76,807.09 3326.77,807.09 3326.77,578.74 3421.26,578.74 3421.26,492.13 3425.2,492.13 3649.61,492.13 3649.61,960.63 3562.99,1047.24 3562.99,1181.1
VCC_5V on Sig2 "VCC_5V_L02_P037" (hatched 45Degree grid 0 track 8, remove dead copper, pour order 37): 0,3940 0,1047 229,1047 229,541 0,541 0,0 3936,0 3936,1182 3935,1183 3931,1179 1810,1179 1810,3933 1806,3937
GND on Sig2 "GND_L02_P026" (hatched 45Degree grid 0 track 8, pour order 26): 240,3935 247,3942 1825,3942 1811.02,3148.16 1696.35,3144.08 1697.43,2863.61 1626.44,2862.11 1624,2250 236,2250
GND on Sig2 "GND_L02_P027" (hatched 45Degree grid 0 track 8, remove dead copper, pour order 27): 2905,1187 2905,4 2902,1 3943,1 3943,1184 3946,1187
GND on Sig2 "GND_L02_P013" (hatched 45Degree grid 0 track 8, remove dead copper, pour order 13): 375,978.05 375,806 1004,806 1004,980.17
GND on Bottom Layer "GND_L04_P039" (hatched 45Degree grid 0 track 8, remove dead copper, pour order 39): 0,3940 0,1047 229,1047 229,541 0,541 0,0 3936,0 3936,1182 3935,1183 3931,1179 1810,1179 1810,3933 1806,3937
VCC_3V3 on Bottom Layer "VCC_3V3_L04_P022" (hatched 45Degree grid 0 track 8, remove dead copper, pour order 22): 1337,910 1335,908 1335,812 1419,812 1419,714 1594,714 1594,965 1810,965 1814.41,960.59 1814.41,898.74 1737.74,898.74 1737,898 1737,815 1814,815 1815,814 1815,682 1989,682 1989,962 1997,962 2023,962 2188,962 2203,947 2203,909 2197,903 2136,903 2136,809 2137,810 2212,810 2212,678 2362,678 2362,951 2372,961 2593,961 2593,904 2589,900 2532,900 2532,814 2602,814 2602,695 2610,687 2731,687 2738,694 2738,1116 1433,1116 1406,1089 1406,910
GND on Sig3 "GND_L03_P038" (hatched 45Degree grid 0 track 8, remove dead copper, pour order 38): 0,3940 0,1047 229,1047 229,541 0,541 0,0 3936,0 3936,1182 3935,1183 3931,1179 1810,1179 1810,3933 1806,3937
VCC_3V3 on Sig3 "VCC_3V3_L03_P023" (hatched 45Degree grid 0 track 8, remove dead copper, pour order 23): 720,1492 719,1491 719,723 515,723 518,720 518,126 2333,126 2335,128 2337,126 2730,126 2730,1177 2727,1174 1402,1174 1402,1501

## Silkscreen, mask and mechanical layers (free items; w line width, h text height)
Top Overlay:
  text "5V" at 229,3036 h30
  text "RX" at 229,2949 h30
  text "TX" at 235,2852 h30
  text "GND" at 221,2755.25 h30
  text "BOOT" at 152,2465 h30
  text "GND" at 148,2355.69 h30
  text "CalorieScale V1.1" at 108,2008 h60
  text "IN1" at 1659,1946 h30
  text "Design by Rick" at 108,1879.5 h60
  text "IN0" at 1651,1843 h30
  text "2022-12-28" at 108,1771 h60
  text "-" at 1673,1692.15 h30
  text "+" at 1674,1536 h30
Top Solder:
  rectangle: 0,536 228,1043
Bottom Solder:
  rectangle: 0,538 228,1045
Mechanical 1:
  circle w10: c354.33,3818.9 r39.37
  circle w10: c1692.91,3818.9 r39.37
  circle w10: c1692.91,1299.21 r39.37
  circle w10: c118.2,116.76 r39.37
  circle w10: c3818.9,118.11 r39.37
  circle w10: c3818.9,1062.99 r39.37
  pour cut-out: 3779.53,118.11 ccw(c3818.9,118.11) 3818.9,78.74 ccw(c3818.9,118.11) 3858.27,118.11 ccw(c3818.9,118.11) 3818.9,157.48 ccw(c3818.9,118.11)
  lines w0.39: 3931.89,1052.01 3932.99,1053.11 3940,1053.11 ; 0,196.85 ccw(c196.85,196.85) 196.85,0 3937.01,0 3937.01,1181.1 1811.02,1181.1 1811.02,3937.01 0,3937.01 0,196.85

## Text inside footprints (layer, text, board x,y; h text height)
CAMERA: Top Overlay "24" at 764.02,3663.03 h40 r180; Top Overlay "1" at 1271.89,3663.03 h40 r180